# KiCad board Si5351ABreakout_panel.kicad_pcb (continued)
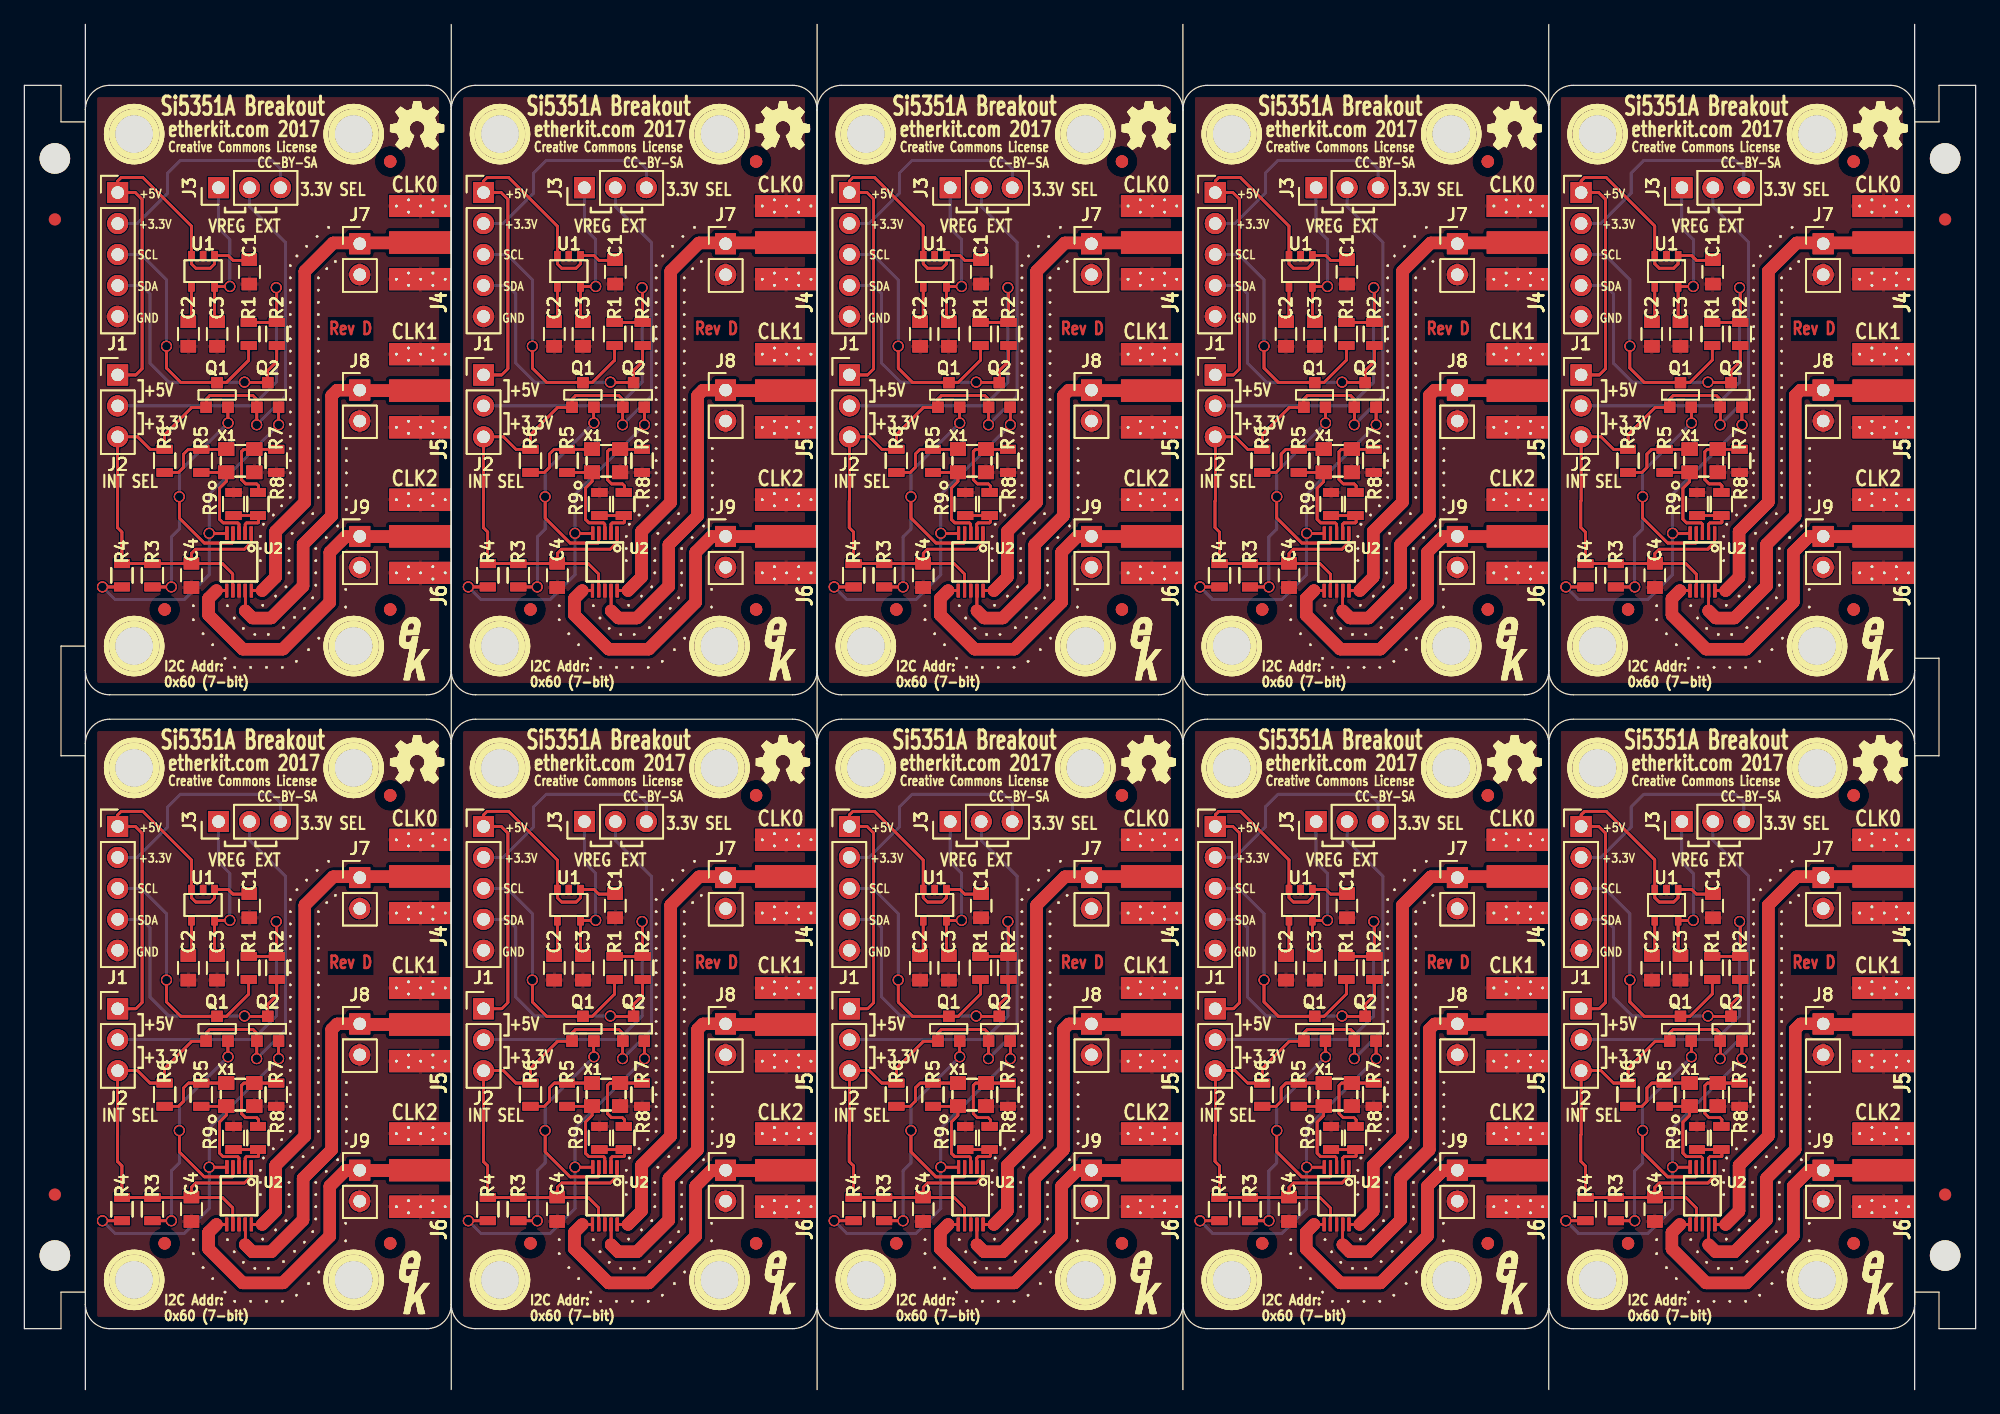
[diagram p0: board, top side]
## Nets (continued)
Net-(J6-Pad1): J6.1 J6#2.1 J6#3.1 J6#4.1 J6#5.1 J6#6.1 J6#7.1 J6#8.1 J6#9.1 J6#10.1 J6#11.1 J6#12.1 J6#13.1 J6#14.1 J6#15.1 J6#16.1 J6#17.1 J6#18.1 J6#19.1 J6#20.1 J6#21.1 J6#22.1 J6#23.1 J6#24.1 J6#25.1 J6#26.1 J6#27.1 J6#28.1 J6#29.1 J6#30.1 J6#31.1 J6#32.1 J6#33.1 J6#34.1 J6#35.1 J6#36.1 J6#37.1 J6#38.1 J6#39.1 J6#40.1 J9.1 J9#2.1 J9#3.1 J9#4.1 J9#5.1 J9#6.1 J9#7.1 J9#8.1 J9#9.1 J9#10.1 J9#11.1 J9#12.1 J9#13.1 J9#14.1 J9#15.1 J9#16.1 J9#17.1 J9#18.1 J9#19.1 J9#20.1 J9#21.1 J9#22.1 J9#23.1 J9#24.1 J9#25.1 J9#26.1 J9#27.1 J9#28.1 J9#29.1 J9#30.1 J9#31.1 J9#32.1 J9#33.1 J9#34.1 J9#35.1 J9#36.1 J9#37.1 J9#38.1 J9#39.1 J9#40.1 U2.6 U2#2.6 U2#3.6 U2#4.6 U2#5.6 U2#6.6 U2#7.6 U2#8.6 U2#9.6 U2#10.6 U2#11.6 U2#12.6 U2#13.6 U2#14.6 U2#15.6 U2#16.6 U2#17.6 U2#18.6 U2#19.6 U2#20.6 U2#21.6 U2#22.6 U2#23.6 U2#24.6 U2#25.6 U2#26.6 U2#27.6 U2#28.6 U2#29.6 U2#30.6 U2#31.6 U2#32.6 U2#33.6 U2#34.6 U2#35.6 U2#36.6 U2#37.6 U2#38.6 U2#39.6 U2#40.6
Net-(Q1-Pad1): Q1.1 Q1#2.1 Q1#3.1 Q1#4.1 Q1#5.1 Q1#6.1 Q1#7.1 Q1#8.1 Q1#9.1 Q1#10.1 Q1#11.1 Q1#12.1 Q1#13.1 Q1#14.1 Q1#15.1 Q1#16.1 Q1#17.1 Q1#18.1 Q1#19.1 Q1#20.1 Q1#21.1 Q1#22.1 Q1#23.1 Q1#24.1 Q1#25.1 Q1#26.1 Q1#27.1 Q1#28.1 Q1#29.1 Q1#30.1 Q1#31.1 Q1#32.1 Q1#33.1 Q1#34.1 Q1#35.1 Q1#36.1 Q1#37.1 Q1#38.1 Q1#39.1 Q1#40.1 R3.2 R3#2.2 R3#3.2 R3#4.2 R3#5.2 R3#6.2 R3#7.2 R3#8.2 R3#9.2 R3#10.2 R3#11.2 R3#12.2 R3#13.2 R3#14.2 R3#15.2 R3#16.2 R3#17.2 R3#18.2 R3#19.2 R3#20.2 R3#21.2 R3#22.2 R3#23.2 R3#24.2 R3#25.2 R3#26.2 R3#27.2 R3#28.2 R3#29.2 R3#30.2 R3#31.2 R3#32.2 R3#33.2 R3#34.2 R3#35.2 R3#36.2 R3#37.2 R3#38.2 R3#39.2 R3#40.2 U2.4 U2#2.4 U2#3.4 U2#4.4 U2#5.4 U2#6.4 U2#7.4 U2#8.4 U2#9.4 U2#10.4 U2#11.4 U2#12.4 U2#13.4 U2#14.4 U2#15.4 U2#16.4 U2#17.4 U2#18.4 U2#19.4 U2#20.4 U2#21.4 U2#22.4 U2#23.4 U2#24.4 U2#25.4 U2#26.4 U2#27.4 U2#28.4 U2#29.4 U2#30.4 U2#31.4 U2#32.4 U2#33.4 U2#34.4 U2#35.4 U2#36.4 U2#37.4 U2#38.4 U2#39.4 U2#40.4
Net-(Q2-Pad1): Q2.1 Q2#2.1 Q2#3.1 Q2#4.1 Q2#5.1 Q2#6.1 Q2#7.1 Q2#8.1 Q2#9.1 Q2#10.1 Q2#11.1 Q2#12.1 Q2#13.1 Q2#14.1 Q2#15.1 Q2#16.1 Q2#17.1 Q2#18.1 Q2#19.1 Q2#20.1 Q2#21.1 Q2#22.1 Q2#23.1 Q2#24.1 Q2#25.1 Q2#26.1 Q2#27.1 Q2#28.1 Q2#29.1 Q2#30.1 Q2#31.1 Q2#32.1 Q2#33.1 Q2#34.1 Q2#35.1 Q2#36.1 Q2#37.1 Q2#38.1 Q2#39.1 Q2#40.1 R4.2 R4#2.2 R4#3.2 R4#4.2 R4#5.2 R4#6.2 R4#7.2 R4#8.2 R4#9.2 R4#10.2 R4#11.2 R4#12.2 R4#13.2 R4#14.2 R4#15.2 R4#16.2 R4#17.2 R4#18.2 R4#19.2 R4#20.2 R4#21.2 R4#22.2 R4#23.2 R4#24.2 R4#25.2 R4#26.2 R4#27.2 R4#28.2 R4#29.2 R4#30.2 R4#31.2 R4#32.2 R4#33.2 R4#34.2 R4#35.2 R4#36.2 R4#37.2 R4#38.2 R4#39.2 R4#40.2 U2.5 U2#2.5 U2#3.5 U2#4.5 U2#5.5 U2#6.5 U2#7.5 U2#8.5 U2#9.5 U2#10.5 U2#11.5 U2#12.5 U2#13.5 U2#14.5 U2#15.5 U2#16.5 U2#17.5 U2#18.5 U2#19.5 U2#20.5 U2#21.5 U2#22.5 U2#23.5 U2#24.5 U2#25.5 U2#26.5 U2#27.5 U2#28.5 U2#29.5 U2#30.5 U2#31.5 U2#32.5 U2#33.5 U2#34.5 U2#35.5 U2#36.5 U2#37.5 U2#38.5 U2#39.5 U2#40.5
Net-(R5-Pad1): R5.1 R5#2.1 R5#3.1 R5#4.1 R5#5.1 R5#6.1 R5#7.1 R5#8.1 R5#9.1 R5#10.1 R5#11.1 R5#12.1 R5#13.1 R5#14.1 R5#15.1 R5#16.1 R5#17.1 R5#18.1 R5#19.1 R5#20.1 R5#21.1 R5#22.1 R5#23.1 R5#24.1 R5#25.1 R5#26.1 R5#27.1 R5#28.1 R5#29.1 R5#30.1 R5#31.1 R5#32.1 R5#33.1 R5#34.1 R5#35.1 R5#36.1 R5#37.1 R5#38.1 R5#39.1 R5#40.1 R6.2 R6#2.2 R6#3.2 R6#4.2 R6#5.2 R6#6.2 R6#7.2 R6#8.2 R6#9.2 R6#10.2 R6#11.2 R6#12.2 R6#13.2 R6#14.2 R6#15.2 R6#16.2 R6#17.2 R6#18.2 R6#19.2 R6#20.2 R6#21.2 R6#22.2 R6#23.2 R6#24.2 R6#25.2 R6#26.2 R6#27.2 R6#28.2 R6#29.2 R6#30.2 R6#31.2 R6#32.2 R6#33.2 R6#34.2 R6#35.2 R6#36.2 R6#37.2 R6#38.2 R6#39.2 R6#40.2 X1.4 X1#2.4 X1#3.4 X1#4.4 X1#5.4 X1#6.4 X1#7.4 X1#8.4 X1#9.4 X1#10.4 X1#11.4 X1#12.4 X1#13.4 X1#14.4 X1#15.4 X1#16.4 X1#17.4 X1#18.4 X1#19.4 X1#20.4 X1#21.4 X1#22.4 X1#23.4 X1#24.4 X1#25.4 X1#26.4 X1#27.4 X1#28.4 X1#29.4 X1#30.4 X1#31.4 X1#32.4 X1#33.4 X1#34.4 X1#35.4 X1#36.4 X1#37.4 X1#38.4 X1#39.4 X1#40.4
Net-(R5-Pad2): R5.2 R5#2.2 R5#3.2 R5#4.2 R5#5.2 R5#6.2 R5#7.2 R5#8.2 R5#9.2 R5#10.2 R5#11.2 R5#12.2 R5#13.2 R5#14.2 R5#15.2 R5#16.2 R5#17.2 R5#18.2 R5#19.2 R5#20.2 R5#21.2 R5#22.2 R5#23.2 R5#24.2 R5#25.2 R5#26.2 R5#27.2 R5#28.2 R5#29.2 R5#30.2 R5#31.2 R5#32.2 R5#33.2 R5#34.2 R5#35.2 R5#36.2 R5#37.2 R5#38.2 R5#39.2 R5#40.2 U2.3 U2#2.3 U2#3.3 U2#4.3 U2#5.3 U2#6.3 U2#7.3 U2#8.3 U2#9.3 U2#10.3 U2#11.3 U2#12.3 U2#13.3 U2#14.3 U2#15.3 U2#16.3 U2#17.3 U2#18.3 U2#19.3 U2#20.3 U2#21.3 U2#22.3 U2#23.3 U2#24.3 U2#25.3 U2#26.3 U2#27.3 U2#28.3 U2#29.3 U2#30.3 U2#31.3 U2#32.3 U2#33.3 U2#34.3 U2#35.3 U2#36.3 U2#37.3 U2#38.3 U2#39.3 U2#40.3 X1.1 X1#2.1 X1#3.1 X1#4.1 X1#5.1 X1#6.1 X1#7.1 X1#8.1 X1#9.1 X1#10.1 X1#11.1 X1#12.1 X1#13.1 X1#14.1 X1#15.1 X1#16.1 X1#17.1 X1#18.1 X1#19.1 X1#20.1 X1#21.1 X1#22.1 X1#23.1 X1#24.1 X1#25.1 X1#26.1 X1#27.1 X1#28.1 X1#29.1 X1#30.1 X1#31.1 X1#32.1 X1#33.1 X1#34.1 X1#35.1 X1#36.1 X1#37.1 X1#38.1 X1#39.1 X1#40.1
Net-(R7-Pad1): R7.1 R7#2.1 R7#3.1 R7#4.1 R7#5.1 R7#6.1 R7#7.1 R7#8.1 R7#9.1 R7#10.1 R7#11.1 R7#12.1 R7#13.1 R7#14.1 R7#15.1 R7#16.1 R7#17.1 R7#18.1 R7#19.1 R7#20.1 R7#21.1 R7#22.1 R7#23.1 R7#24.1 R7#25.1 R7#26.1 R7#27.1 R7#28.1 R7#29.1 R7#30.1 R7#31.1 R7#32.1 R7#33.1 R7#34.1 R7#35.1 R7#36.1 R7#37.1 R7#38.1 R7#39.1 R7#40.1 R8.1 R8#2.1 R8#3.1 R8#4.1 R8#5.1 R8#6.1 R8#7.1 R8#8.1 R8#9.1 R8#10.1 R8#11.1 R8#12.1 R8#13.1 R8#14.1 R8#15.1 R8#16.1 R8#17.1 R8#18.1 R8#19.1 R8#20.1 R8#21.1 R8#22.1 R8#23.1 R8#24.1 R8#25.1 R8#26.1 R8#27.1 R8#28.1 R8#29.1 R8#30.1 R8#31.1 R8#32.1 R8#33.1 R8#34.1 R8#35.1 R8#36.1 R8#37.1 R8#38.1 R8#39.1 R8#40.1 X1.3 X1#2.3 X1#3.3 X1#4.3 X1#5.3 X1#6.3 X1#7.3 X1#8.3 X1#9.3 X1#10.3 X1#11.3 X1#12.3 X1#13.3 X1#14.3 X1#15.3 X1#16.3 X1#17.3 X1#18.3 X1#19.3 X1#20.3 X1#21.3 X1#22.3 X1#23.3 X1#24.3 X1#25.3 X1#26.3 X1#27.3 X1#28.3 X1#29.3 X1#30.3 X1#31.3 X1#32.3 X1#33.3 X1#34.3 X1#35.3 X1#36.3 X1#37.3 X1#38.3 X1#39.3 X1#40.3
Net-(R8-Pad2): R8.2 R8#2.2 R8#3.2 R8#4.2 R8#5.2 R8#6.2 R8#7.2 R8#8.2 R8#9.2 R8#10.2 R8#11.2 R8#12.2 R8#13.2 R8#14.2 R8#15.2 R8#16.2 R8#17.2 R8#18.2 R8#19.2 R8#20.2 R8#21.2 R8#22.2 R8#23.2 R8#24.2 R8#25.2 R8#26.2 R8#27.2 R8#28.2 R8#29.2 R8#30.2 R8#31.2 R8#32.2 R8#33.2 R8#34.2 R8#35.2 R8#36.2 R8#37.2 R8#38.2 R8#39.2 R8#40.2 R9.1 R9#2.1 R9#3.1 R9#4.1 R9#5.1 R9#6.1 R9#7.1 R9#8.1 R9#9.1 R9#10.1 R9#11.1 R9#12.1 R9#13.1 R9#14.1 R9#15.1 R9#16.1 R9#17.1 R9#18.1 R9#19.1 R9#20.1 R9#21.1 R9#22.1 R9#23.1 R9#24.1 R9#25.1 R9#26.1 R9#27.1 R9#28.1 R9#29.1 R9#30.1 R9#31.1 R9#32.1 R9#33.1 R9#34.1 R9#35.1 R9#36.1 R9#37.1 R9#38.1 R9#39.1 R9#40.1 U2.2 U2#2.2 U2#3.2 U2#4.2 U2#5.2 U2#6.2 U2#7.2 U2#8.2 U2#9.2 U2#10.2 U2#11.2 U2#12.2 U2#13.2 U2#14.2 U2#15.2 U2#16.2 U2#17.2 U2#18.2 U2#19.2 U2#20.2 U2#21.2 U2#22.2 U2#23.2 U2#24.2 U2#25.2 U2#26.2 U2#27.2 U2#28.2 U2#29.2 U2#30.2 U2#31.2 U2#32.2 U2#33.2 U2#34.2 U2#35.2 U2#36.2 U2#37.2 U2#38.2 U2#39.2 U2#40.2

Pads without a net: REF** ~; REF**#2 ~; REF**#3 ~; REF**#4 ~; REF**#5 ~; REF**#6 ~; REF**#7 ~; REF**#8 ~; REF**#9 ~; REF**#10 ~; REF**#11 ~; REF**#12 ~; REF**#13 ~; REF**#14 ~; REF**#15 ~; REF**#16 ~; REF**#17 ~; REF**#18 ~; REF**#19 ~; REF**#20 ~; REF**#21 ~; REF**#22 ~; REF**#23 ~; REF**#24 ~; REF**#25 ~; REF**#26 ~; REF**#27 ~; REF**#28 ~; REF**#29 ~; REF**#30 ~; REF**#31 ~; REF**#32 ~; REF**#33 ~; REF**#34 ~; REF**#35 ~; REF**#36 ~; REF**#37 ~; REF**#38 ~; REF**#39 ~; REF**#40 ~; REF**#41 ~; REF**#42 ~; REF**#43 ~; REF**#44 ~; REF**#45 ~; REF**#46 ~; REF**#47 ~; REF**#48 ~; REF**#49 ~; REF**#50 ~; REF**#51 ~; REF**#52 ~; REF**#53 ~; REF**#54 ~; REF**#55 ~; REF**#56 ~; REF**#57 ~; REF**#58 ~; REF**#59 ~; REF**#60 ~; REF**#61 ~; REF**#62 ~; REF**#63 ~; REF**#64 ~; REF**#65 ~; REF**#66 ~; REF**#67 ~; REF**#68 ~; REF**#69 ~; REF**#70 ~; REF**#71 ~; REF**#72 ~; REF**#73 ~; REF**#74 ~; REF**#75 ~; REF**#76 ~; REF**#77 ~; REF**#78 ~; REF**#79 ~; REF**#80 ~; REF**#81 ~; REF**#82 ~; REF**#83 ~; REF**#84 ~; REF**#85 ~; REF**#86 ~; REF**#87 ~; REF**#88 ~; REF**#89 ~; REF**#90 ~; REF**#91 ~; REF**#92 ~; REF**#93 ~; REF**#94 ~; REF**#95 ~; REF**#96 ~; REF**#97 ~; REF**#98 ~; REF**#99 ~; REF**#100 ~; REF**#101 ~; REF**#102 ~; REF**#103 ~; REF**#104 ~; REF**#105 ~; REF**#106 ~; REF**#107 ~; REF**#108 ~; REF**#109 ~; REF**#110 ~; REF**#111 ~; REF**#112 ~; REF**#113 ~; REF**#114 ~; REF**#115 ~; REF**#116 ~; REF**#117 ~; REF**#118 ~; REF**#119 ~; REF**#120 ~; REF**#125 ~; REF**#126 ~; REF**#127 ~; REF**#128 ~

## Via types
v1: diameter 0.889, hole 0.635, Top to Bottom, 440 vias

## Routing (per net, layer and track width the routed paths; a pad name or vN(x,y) marks a point on that pad's centre or on a via; arc(x,y) is an arc through that point)
+3.3V: length 732.3
  Bottom w0.2: J1.2 9.26,95.66 ; J1.2 9.26,95.66 ; J1.2 9.26,95.66 ; J1.2 9.26,95.66 ; 9.26,95.66 11.75,98.15 ; 9.26,95.66 11.75,98.15 ; 9.26,95.66 11.75,98.15 ; 9.26,95.66 11.75,98.15 ; 11.75,98.15 11.75,99.8 ; 11.75,98.15 11.75,99.8 ; 11.75,98.15 11.75,99.8 ; 11.75,98.15 11.75,99.8 ; 11.75,99.8 12.8,100.85 ; 11.75,99.8 12.8,100.85 ; 11.75,99.8 12.8,100.85 ; 11.75,99.8 12.8,100.85 ; 12.8,100.85 20.3,100.85 ; 12.8,100.85 20.3,100.85 ; 12.8,100.85 20.3,100.85 ; 12.8,100.85 20.3,100.85 ; 20.3,100.85 21,100.15 ; 20.3,100.85 21,100.15 ; 20.3,100.85 21,100.15 ; 20.3,100.85 21,100.15 ; 21,100.15 J3.3 ; 21,100.15 J3.3 ; 21,100.15 J3.3 ; 21,100.15 J3.3 ; J1#2.2 39.26,95.66 ; J1#2.2 39.26,95.66 ; J1#2.2 39.26,95.66 ; J1#2.2 39.26,95.66 ; 39.26,95.66 41.75,98.15 ; 39.26,95.66 41.75,98.15 ; 39.26,95.66 41.75,98.15 ; 39.26,95.66 41.75,98.15 ; 41.75,98.15 41.75,99.8 ; 41.75,98.15 41.75,99.8 ; 41.75,98.15 41.75,99.8 ; 41.75,98.15 41.75,99.8 ; 41.75,99.8 42.8,100.85 ; 41.75,99.8 42.8,100.85 ; 41.75,99.8 42.8,100.85 ; 41.75,99.8 42.8,100.85 ; 42.8,100.85 50.3,100.85 ; 42.8,100.85 50.3,100.85 ; 42.8,100.85 50.3,100.85 ; 42.8,100.85 50.3,100.85 ; 50.3,100.85 51,100.15 ; 50.3,100.85 51,100.15 ; 50.3,100.85 51,100.15 ; 50.3,100.85 51,100.15 ; 51,100.15 J3#2.3 ; 51,100.15 J3#2.3 ; 51,100.15 J3#2.3 ; 51,100.15 J3#2.3 ; J1#3.2 69.26,95.66 ; J1#3.2 69.26,95.66 ; J1#3.2 69.26,95.66 ; J1#3.2 69.26,95.66 ; 69.26,95.66 71.75,98.15 ; 69.26,95.66 71.75,98.15 ; 69.26,95.66 71.75,98.15 ; 69.26,95.66 71.75,98.15 ; 71.75,98.15 71.75,99.8 ; 71.75,98.15 71.75,99.8 ; 71.75,98.15 71.75,99.8 ; 71.75,98.15 71.75,99.8 ; 71.75,99.8 72.8,100.85 ; 71.75,99.8 72.8,100.85 ; 71.75,99.8 72.8,100.85 ; 71.75,99.8 72.8,100.85 ; 72.8,100.85 80.3,100.85 ; 72.8,100.85 80.3,100.85 ; 72.8,100.85 80.3,100.85 ; 72.8,100.85 80.3,100.85 ; 80.3,100.85 81,100.15 ; 80.3,100.85 81,100.15 ; 80.3,100.85 81,100.15 ; 80.3,100.85 81,100.15 ; 81,100.15 J3#3.3 ; 81,100.15 J3#3.3 ; 81,100.15 J3#3.3 ; 81,100.15 J3#3.3 ; J1#4.2 99.26,95.66 ; J1#4.2 99.26,95.66 ; J1#4.2 99.26,95.66 ; J1#4.2 99.26,95.66 ; 99.26,95.66 101.75,98.15 ; 99.26,95.66 101.75,98.15 ; 99.26,95.66 101.75,98.15 ; 99.26,95.66 101.75,98.15 ; 101.75,98.15 101.75,99.8 ; 101.75,98.15 101.75,99.8 ; 101.75,98.15 101.75,99.8 ; 101.75,98.15 101.75,99.8 ; 101.75,99.8 102.8,100.85 ; 101.75,99.8 102.8,100.85 ; 101.75,99.8 102.8,100.85 ; 101.75,99.8 102.8,100.85 ; 102.8,100.85 110.3,100.85 ; 102.8,100.85 110.3,100.85 ; 102.8,100.85 110.3,100.85 ; 102.8,100.85 110.3,100.85 ; 110.3,100.85 111,100.15 ; 110.3,100.85 111,100.15 ; 110.3,100.85 111,100.15 ; 110.3,100.85 111,100.15 ; 111,100.15 J3#4.3 ; 111,100.15 J3#4.3 ; 111,100.15 J3#4.3 ; 111,100.15 J3#4.3 ; J1#5.2 129.26,95.66 ; J1#5.2 129.26,95.66 ; J1#5.2 129.26,95.66 ; J1#5.2 129.26,95.66 ; 129.26,95.66 131.75,98.15 ; 129.26,95.66 131.75,98.15 ; 129.26,95.66 131.75,98.15 ; 129.26,95.66 131.75,98.15 ; 131.75,98.15 131.75,99.8 ; 131.75,98.15 131.75,99.8 ; 131.75,98.15 131.75,99.8 ; 131.75,98.15 131.75,99.8 ; 131.75,99.8 132.8,100.85 ; 131.75,99.8 132.8,100.85 ; 131.75,99.8 132.8,100.85 ; 131.75,99.8 132.8,100.85 ; 132.8,100.85 140.3,100.85 ; 132.8,100.85 140.3,100.85 ; 132.8,100.85 140.3,100.85 ; 132.8,100.85 140.3,100.85 ; 140.3,100.85 141,100.15 ; 140.3,100.85 141,100.15 ; 140.3,100.85 141,100.15 ; 140.3,100.85 141,100.15 ; 141,100.15 J3#5.3 ; 141,100.15 J3#5.3 ; 141,100.15 J3#5.3 ; 141,100.15 J3#5.3 ; 140.3,48.85 141,48.15 ; 140.3,48.85 132.8,48.85 ; 140.3,48.85 141,48.15 ; 140.3,48.85 132.8,48.85 ; 140.3,48.85 132.8,48.85 ; 140.3,48.85 141,48.15 ; 140.3,48.85 141,48.15 ; 140.3,48.85 132.8,48.85 ; 141,48.15 J3#33.3 ; 141,48.15 J3#33.3 ; 141,48.15 J3#33.3 ; 141,48.15 J3#33.3 ; 132.8,48.85 131.75,47.8 ; 132.8,48.85 131.75,47.8 ; 132.8,48.85 131.75,47.8 ; 132.8,48.85 131.75,47.8 ; 131.75,46.15 131.75,47.8 ; 131.75,46.15 131.75,47.8 ; 131.75,46.15 131.75,47.8 ; 131.75,46.15 131.75,47.8 ; 131.75,46.15 129.26,43.66 ; 131.75,46.15 129.26,43.66 ; 131.75,46.15 129.26,43.66 ; 131.75,46.15 129.26,43.66 ; J1#33.2 129.26,43.66 ; J1#33.2 129.26,43.66 ; J1#33.2 129.26,43.66 ; J1#33.2 129.26,43.66 ; 102.8,48.85 110.3,48.85 ; 102.8,48.85 110.3,48.85 ; 102.8,48.85 110.3,48.85 ; 102.8,48.85 110.3,48.85 ; 102.8,48.85 101.75,47.8 ; 102.8,48.85 101.75,47.8 ; 102.8,48.85 101.75,47.8 ; 102.8,48.85 101.75,47.8 ; 110.3,48.85 111,48.15 ; 110.3,48.85 111,48.15 ; 110.3,48.85 111,48.15 ; 110.3,48.85 111,48.15 ; 111,48.15 J3#37.3 ; 111,48.15 J3#37.3 ; 111,48.15 J3#37.3 ; 111,48.15 J3#37.3 ; 101.75,47.8 101.75,46.15 ; 101.75,47.8 101.75,46.15 ; 101.75,47.8 101.75,46.15 ; 101.75,47.8 101.75,46.15 ; J1#37.2 99.26,43.66 ; J1#37.2 99.26,43.66 ; J1#37.2 99.26,43.66 ; J1#37.2 99.26,43.66 ; 99.26,43.66 101.75,46.15 ; 99.26,43.66 101.75,46.15 ; 99.26,43.66 101.75,46.15 ; 99.26,43.66 101.75,46.15 ; 71.75,46.15 71.75,47.8 ; 71.75,46.15 71.75,47.8 ; 71.75,46.15 71.75,47.8 ; 71.75,46.15 69.26,43.66 ; 71.75,46.15 71.75,47.8 ; 71.75,46.15 69.26,43.66 ; 71.75,46.15 69.26,43.66 ; 71.75,46.15 69.26,43.66 ; 71.75,47.8 72.8,48.85 ; 71.75,47.8 72.8,48.85 ; 71.75,47.8 72.8,48.85 ; 71.75,47.8 72.8,48.85 ; 72.8,48.85 80.3,48.85 ; 72.8,48.85 80.3,48.85 ; 72.8,48.85 80.3,48.85 ; 72.8,48.85 80.3,48.85 ; 80.3,48.85 81,48.15 ; 80.3,48.85 81,48.15 ; 80.3,48.85 81,48.15 ; 80.3,48.85 81,48.15 ; 81,48.15 J3#25.3 ; 81,48.15 J3#25.3 ; 81,48.15 J3#25.3 ; 81,48.15 J3#25.3 ; 69.26,43.66 J1#29.2 ; 69.26,43.66 J1#29.2 ; 69.26,43.66 J1#29.2 ; 69.26,43.66 J1#29.2 ; 50.3,48.85 51,48.15 ; 50.3,48.85 51,48.15 ; 50.3,48.85 42.8,48.85 ; 50.3,48.85 51,48.15 ; 50.3,48.85 51,48.15 ; 50.3,48.85 42.8,48.85 ; 50.3,48.85 42.8,48.85 ; 50.3,48.85 42.8,48.85 ; 51,48.15 J3#29.3 ; 51,48.15 J3#29.3 ; 51,48.15 J3#29.3 ; 51,48.15 J3#29.3 ; 41.75,46.15 41.75,47.8 ; 41.75,46.15 41.75,47.8 ; 41.75,46.15 41.75,47.8 ; 41.75,46.15 41.75,47.8 ; 41.75,46.15 39.26,43.66 ; 41.75,46.15 39.26,43.66 ; 41.75,46.15 39.26,43.66 ; 41.75,46.15 39.26,43.66 ; 41.75,47.8 42.8,48.85 ; 41.75,47.8 42.8,48.85 ; 41.75,47.8 42.8,48.85 ; 41.75,47.8 42.8,48.85 ; 39.26,43.66 J1#25.2 ; 39.26,43.66 J1#25.2 ; 39.26,43.66 J1#25.2 ; 39.26,43.66 J1#25.2 ; 11.75,46.15 11.75,47.8 ; 11.75,46.15 11.75,47.8 ; 11.75,46.15 11.75,47.8 ; 11.75,46.15 11.75,47.8 ; 11.75,46.15 9.26,43.66 ; 11.75,46.15 9.26,43.66 ; 11.75,46.15 9.26,43.66 ; 11.75,46.15 9.26,43.66 ; 11.75,47.8 12.8,48.85 ; 11.75,47.8 12.8,48.85 ; 11.75,47.8 12.8,48.85 ; 11.75,47.8 12.8,48.85 ; 12.8,48.85 20.3,48.85 ; 12.8,48.85 20.3,48.85 ; 12.8,48.85 20.3,48.85 ; 12.8,48.85 20.3,48.85 ; J1#21.2 9.26,43.66 ; J1#21.2 9.26,43.66 ; J1#21.2 9.26,43.66 ; J1#21.2 9.26,43.66 ; 20.3,48.85 21,48.15 ; 20.3,48.85 21,48.15 ; 20.3,48.85 21,48.15 ; 20.3,48.85 21,48.15 ; 21,48.15 J3#21.3 ; 21,48.15 J3#21.3 ; 21,48.15 J3#21.3 ; 21,48.15 J3#21.3
+3.3VREG: length 2672.3